# Altium PCB OpenHeat.PcbDoc (continued)
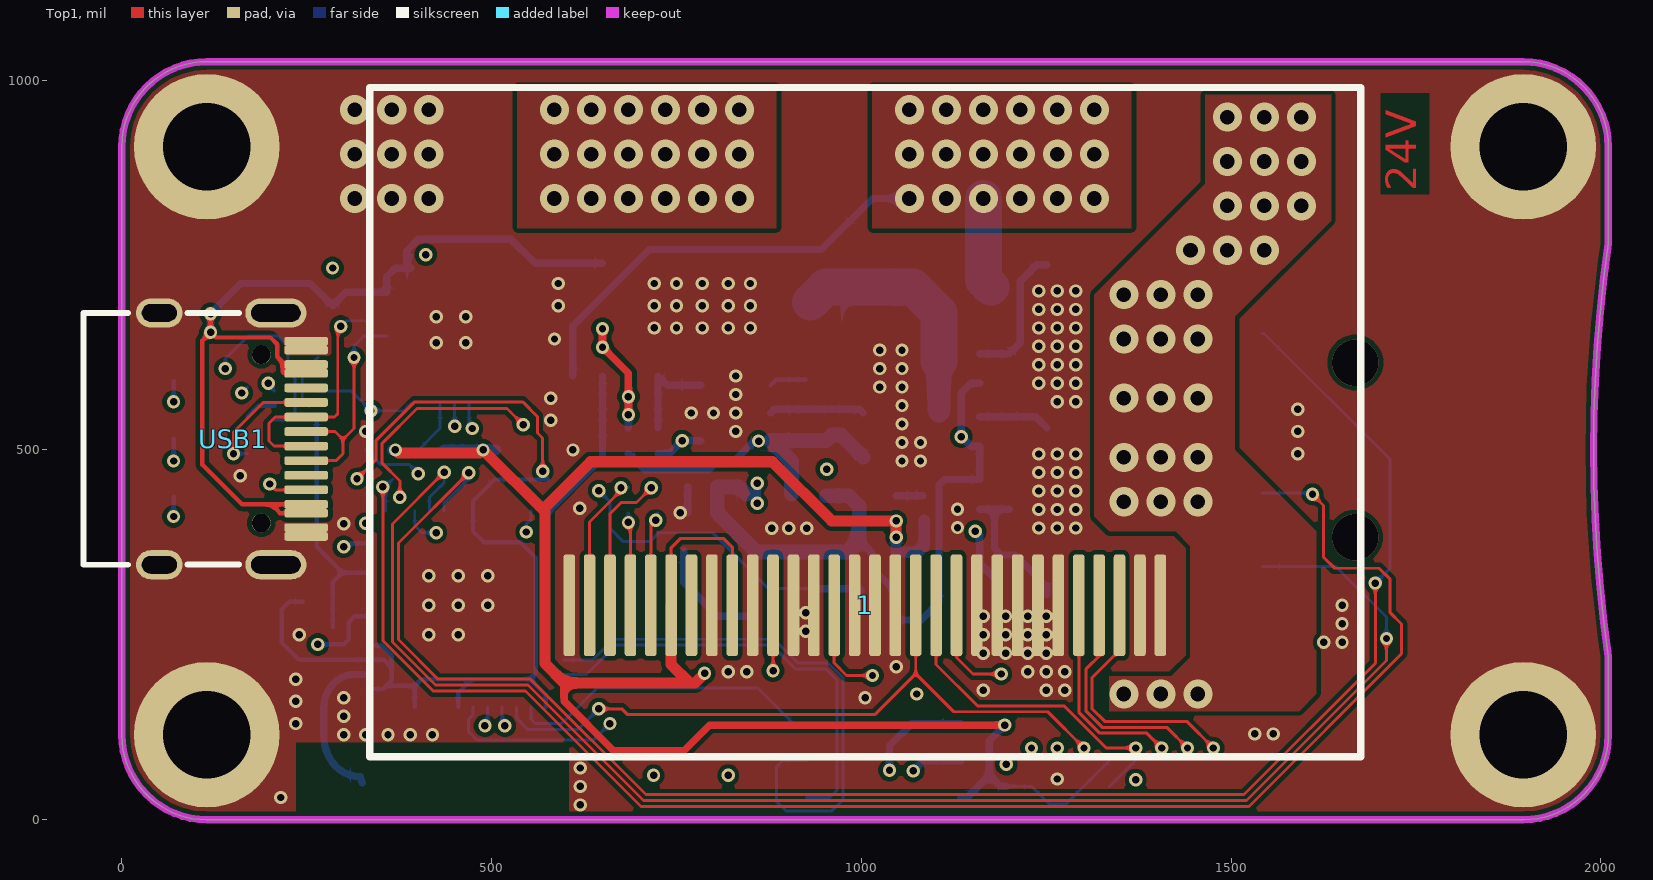
[diagram p0: Top1 view]
## Footprints (in the part's own frame and the unit in brackets; to place one, negate y for a bottom-side part, rotate by r counter-clockwise, add the part's x,y. Pads: shape width x height; smd on the part's side, far side on the other; paste and mask are expansions set on the pad) (continued)
SMT_TRIODE_NPN [mm] "Surface mount NPN transistor, package SOT-23"
  rrect50% 0.95x1 smd: 1(-0.95,-1.125) 2(0.95,-1.125) 3(0,1.125)
  silkscreen extent -1.33,-0.22 1.32,1.13, body extent -1.45,-1.4 1.45,1.4, height 1.3
SO8FL [mm] "DFN5 5x6, 1.27P  (SO-8FL)  CASE 488AA"
  rect 0.9x0.6 on Bottom Paste: 7(0,-0.55) 7(0,0.3) 7(0,1.15) 7(0,2) 9(-1.15,-0.55) 9(-1.15,0.3) 9(-1.15,1.15) 9(-1.15,2) 10(1.15,-0.55) 10(1.15,0.3) 10(1.15,1.15) 10(1.15,2)
  rect 0.6x0.9 on Bottom Paste: 11(-1.875,3) 11(-0.65,3) 11(0.65,3) 11(1.875,3)
  rrect50% 4.2x2.2 smd paste-10 mask+0.075: D(0,0)
  rect 4.2x2.2 smd paste-10 mask+0.075: D(0,1.35)
  rrect50% 4.7x1.5 smd paste-10 mask+0.075: D(0,2.75)
  rrect50% 0.7x1.15 smd paste-0.05 mask+0.075: G(1.905,-2.725) S(-1.905,-2.725) S(-0.635,-2.725) S(0.635,-2.725)
  body extent -2.57,-2.95 2.58,3.2, height 1.13
SO-8 [mm]
  oval 1.3x0.5 smd: 1(-2.65,1.905) 2(-2.65,0.635) 3(-2.65,-0.635) 4(-2.65,-1.905) 5(2.65,-1.905) 6(2.65,-0.635) 7(2.65,0.635) 8(2.65,1.905)
  silkscreen extent -2.78,-2.5 1.2,2.93, body extent -2.89,-2.44 2.89,2.46, height 1.45
SOD-323 [mm]
  rrect50% 0.6x0.5 smd: 1(-1.329,0) 2(1.329,0)
  silkscreen extent -1.78,-0.64 1.78,0.64, body extent -1.3,-0.68 1.3,0.67, height 1.15
SOT23-3 [mm] "SOT23, 3-Leads, Body 3.1x3.0mm (max), Pitch 0.95mm, IPC Medium Density"
  rrect50% 1x0.6 smd: 1(-1.246,0.95) 2(-1.246,-0.95) 3(1.246,0)
  silkscreen extent -0.2,-1.55 0.9,1.55, body extent -1.3,-1.45 1.5,1.45, height 1.2
SOT23-5 [mil]
  rrect50% 30x24 smd: 1(-47,38) 2(-47,0) 3(-47,-38) 4(47,-38) 5(47,38)
  silkscreen extent -21,-53 21,53, body extent -55,-57 55,57, height 57
SOT23-6 [mm]
  rrect50% 1.3x0.7 smd: 1(-1.2,0.95) 2(-1.2,0) 3(-1.2,-0.95) 4(1.2,-0.95) 5(1.2,0) 6(1.2,0.95)
  silkscreen extent -1.32,1.73 -1.07,1.97, body extent -1.4,-1.45 1.4,1.45, height 1.45
SOT563-6 [mm]
  rrect50% 0.305x0.5 smd paste+0 mask+0: 1(-0.5,-0.723) 2(0,-0.723) 3(0.5,-0.723) 4(0.5,0.723) 5(0,0.723) 6(-0.5,0.723)
  silkscreen extent -1.09,-0.96 0.85,0.23, body extent -0.8,-0.8 0.8,0.8, height 0.6
Type-C-TOP [mm]
  round 0.65 hole 0.65: 0(-0.98,2.89) 0(-0.98,-2.89)
  oval 1.6x1 hole 0.6 slot 1.2 at 0 deg: 1(2.52,4.325) 2(2.52,-4.325)
  oval 2.1x1 hole 0.6 slot 1.7 at 0 deg: 3(-1.48,-4.325) 4(-1.48,4.325)
  rrect50% 1.5x0.3 smd: A1(-2.52,-3.35) A4(-2.52,-2.55) A5(-2.52,-1.25) A6(-2.52,-0.25) A7(-2.52,0.25) A8(-2.52,1.25) A9(-2.52,2.55) A12(-2.52,3.35) B1(-2.52,3.05) B4(-2.52,2.25) B5(-2.52,1.75) B6(-2.52,0.75) B7(-2.52,-0.75) B8(-2.52,-1.75) B9(-2.52,-2.25) B12(-2.52,-3.05)
  silkscreen extent -0.22,-4.33 5.12,4.33, body extent -2.57,-4.48 5.18,4.48, height 3.26

## Part data
1: "显示屏"
A1: library part ANT-Rainsun-AP5120
C1 C2 C3 C4 C5 C7 C8 C9 C10 C11 C12 C13 C14 C15 C16 C17 C18 C19 C20: library part 电容-0402, "Capacitor"
C6: library part 电容-1206, "Capacitor"
D1: library part Diode_SMA, "Diode", Type=SMA
D3 D4 D5: "40V"
L1: library part 电感-201612
Q2 Q4 Q5: "MOSFET N-CH 60V SO8FL", Current - Continuous Drain (Id) @ 25°C=-, Drive Voltage (Max Rds On,  Min Rds On)="4.5V, 10V", Input Capacitance (Ciss) (Max) @ Vds="3600pF @ 25V", Manufacturer="ON Semiconductor", Manufacturer Part Number=NTMFS5C628NLT1G, Operating Temperature="-55°C ~ 175°C (TJ)", Package / Case=8-PowerTDFN, Power Dissipation (Max)="3.7W (Ta), 110W (Tc)", Supplier Device Package="5-DFN (5x6) (8-SOFL)", Supplier Part Number 1=NTMFS5C628NLT1GOSCT-ND, Category="Discrete Semiconductor Products", ComponentLink1Description=http://www.onsemi.com/pub/Collateral/NTMFS5C628NL-D.PDF, ComponentLink1URL=http://www.onsemi.com/pub/Collateral/NTMFS5C628NL-D.PDF, FET Feature=-, FET Type=N-Channel, Gate Charge (Qg) (Max) @ Vgs="52nC @ 10V", Mounting Type="Surface Mount", Packaging="Cut Tape (CT)", Part Status=Active, Pricing 1="1=1.8, 10=1.627, 100=1.3078, 500=1.01716 (USD)", Pricing 2="1500=0.81823 (USD)", Rds On (Max) @ Id, Vgs="2.4 mOhm @ 50A, 10V", RoHS="RoHS Compliant", Stock=1490, Supplier 1=Digi-Key, Supplier 2=Digi-Key, Supplier Part Number 2=NTMFS5C628NLT1GOSTR-ND, Technology="MOSFET (Metal Oxide)", Vgs (Max)=±20V, Vgs(th) (Max) @ Id="2V @ 135µA"
Q3: "N-MOS"
R1 R2 R3 R4 R5 R6 R7 R8 R9 R10 R11 R12 R13 R14 R15 R16 R17 R18 R19 R20 R21 R22 R23 R24 R25 R26 R27 R28 R29 R30 R31 R32: library part 电阻-0402, "Resistor"
SW1: BOM_JLCPCB Part Class="Extended Part", BOM_Manufacturer=ALPSALPINE, BOM_Manufacturer Part=EC11E1534443, BOM_Supplier=LCSC, BOM_Supplier Part=C1322543, Contributor=LCSC, spicePre=S, spiceSymbolName=EC11E1534443
U1: "USB转TTL", MFG #1="SILICON LABS", PART DESC="SINGLE-CHIP USB TO UART BRIDGE, QFN28, RoHS.", PART NUMBER=CP2102, RefDes=RefDes, Type=DEV
U2: "DC-DC"
U3: library part LP2992, "LDO"
U4: library part ESP32-PICO
U5: "IC THERMOCOUP TO DGTL 8-SOIC", Digikey Part Number=MAX6675ISA+-ND, Manufacturer="Maxim Electronics", max_supply_voltage_dc=5.50V, Mfg Package Ident=21-0041, Mouser Part Number=700-MAX6675ISA, Octopart Part Number=33bcfab92ad8ec7b, PART NUMBER=MAX6675ISA+, supply_current="0.70 mA", Temperature="-20°C to +85°C", Temperature Range High=+85°C, Temperature Range Low=-20°C, Category 2Fc5E2Cf1B85F402="Interface ICs", Category 3B3Df6370Ab4E0Fa="Temperature Sensor ICs", Category 3Cb8F1B20D37E77F="Sensors (Acceleration, Pressure, ...)", Category 6B95A69F5F75B052="Sensors and Accessories", Category 8A76477Cb9Bd51B1="Temperature Control and Regulation", Category 9E07530Daf1645C0="Semiconductors and Actives", Category 20B3Edb914A9Fb74=Uncategorized, Category 84F649Fcb0Ed5F31=Uncategorized, Category C33B0E31F09B18Fc="Temperature Sensor ICs", Category D46C1966E09E0Fab=Temperature, Category Db391633E8F300Fe="Industrial Control", Category E95E2454Daf93299="Temperature Sensing/Measurement", ComponentLink1Description=Upverter, ComponentLink1URL=https://upverter.com/upn/revision/df8f98e99e77f28c/, ComponentLink2Description=Datasheet, ComponentLink2URL=https://upverter.com/datasheet/328f41e80cd5fba93d602566d8324382201f26da.pdf, Digikey Description="IC THERMOCOUP TO DGTL 8-SOIC", helpURL=https://upverter.com/upn/revision/df8f98e99e77f28c/, Ipc Land Pattern Name=SOIC127P600X155-8, Lead Free=yes, Mounting Type="surface mount", Num Pins=8, Package=21-0041, RoHS=TRUE, Supplier 1=Digi-Key, Supplier 2=Mouser, Supplier Part Number 1=MAX6675ISA+-ND, Supplier Part Number 2=700-MAX6675ISA, Symbol 0 0=Standard, Type="integrated circuit"
USB1: library part USB-Type-C-TOP
VT1: library part SMT_TRIODE_NPN, "Surface mount NPN transistor, package SOT-23"

## Free pads (board coordinates)
  rrect50% 80x50 smd far side: ""(70,436.76) ""(70,515) ""(70,593.24)
  round 196.85 hole 118.11: ""(115,115) ""(115,910) ""(1895,115) ""(1895,910)
  rrect50% 200x200 smd far side: ""(365,900) ""(585,900) ""(845,900) ""(1065,900) ""(1325,900) ""(1545,900)
  rrect50% 80x150 smd far side: ""(720,90) ""(820,90)

## Via types
v1: diameter 18, hole 10, Top1 to Bottom4, tented both sides, 221 vias
v2: diameter 39.37, hole 19.68, Top1 to Bottom4, tented both sides, 75 vias
v3: diameter 62.99, hole 62.99, Top1 to Bottom4, 2 vias

## Nets (pads, with @x,y where several pads share a name; then routed paths per layer and width w, separated by ;. In a path a pad name is that pad's centre, name@x,y a point inside that pad or via, vN(x,y) a via of type N, cw(c..) or ccw(c..) an arc to the next point about the centre after c; other vN are vias at no path point)
3V3A: C1.2 C2.2 R2.2 R3.2 R9.1 U4.1 U4.3 U4.4 U4.19 U4.37 U4.43 U4.46 | length 1490.4
  Top1 w4: v1(318,461) 344,487 344,513 396,565 542,565 562,545 562,523 569,516 v1(569,471)
  Bottom4 w6: R9.1 227,295 216,284 216,240 239.9,216.1 U4.3 354.4,216.1 365,205.5 ; U4.1 352.73,176.73 357.1,181.1 ; U4.4 351.21,235.79 365,222 365,205.5 ; U4.46 396.1,181.1 ; U4.43 455.16,172.16 473,190 ; v1(569,471) 569,467 C2.2 C1.2 R2.2 504,460 474.84,430.84 U4.19 474.84,389.84 489.68,375 539,375 560,354 560,198 552,190 ; U4.37 573.27,168.73 552,190 ; 357.1,181.1 365,189 365,205.5 ; 357.1,181.1 396.1,181.1 ; 396.1,181.1 405,190 473,190 ; 473,190 552,190
5V: C4.1 C7.2 C8.2 D3.2 L1.2 R5.2 R15.2 U3.1 U3.3 | length 1046.2
  Top1 w10: v1(650,664) v1(650,639) 685,604 v1(685,572) v1(685,547.5)
  Signal2 w10: v1(650,664) v1(650,639) 685,604 v1(685,572) v1(685,547.5) 777.5,455 v1(859,455) v1(859,428)
  Bottom4 w10: C4.1 v1(685,547.5) R5.2 ; v1(859,428) v1(859,455) ; 997,378 1015,360 1015,340 R15.2
  Bottom4 w20: L1.2 834.54,450 C8.2 C7.2 858,362 U3.1 981,362 997,378 997,424 983,438 U3.3
BED_OUT: pad.@1545,900 Q2.D Q4.D Q5.D
  other v2: 1355,170 1405,170 1455,170 1355,430 1405,430 1455,430 1355,490 1405,490 1455,490 1355,570 1405,570 1455,570 1355,650 1405,650 1455,650 1355,710 1405,710 1455,710 1445,770 1495,770 1545,770 1495,830 1545,830 1595,830 1495,890 1545,890 1595,890 1495,950 1545,950 1595,950
BS1: 1.11 R14.2 | length 481.2
  Top1 w4: v1(880.59,201.41) 1.11
  Signal2 w4: v1(880.59,201.41) 940,142 1064.31,142 1109.31,97 v1(1230,97)
BUZZ: Q3.1 R20.2 U4.14 | length 885.7
  Top1 w4: v1(376,436) 376,458 352,482 352,509 399,556 521,556 v1(543,534)
  Signal2 w4: v1(543,534) 543,530 628,445 v1(645,445)
  Bottom4 w4: v1(645,445) 660,430 660,394 678,376 714,376 726,388 799,388 874.6,312.4 Q3.1
  Bottom4 w10: Q3.1 997.6,312.4 R20.2
CP_Rx: U1.25 U4.41 | length 563.7
  Signal2 w4: v1(450,532) 450.29,531.71 450.29,516.71 508.04,458.96 524.35,458.96 581,402.31 581,246 491,156 v1(491,127)
  Bottom4 w4: v1(450,532) U1.25 ; v1(491,127) 494.53,130.53 U4.41
CP_Tx: R3.1 R4.1 U4.40 | length 701.1
  Signal2 w4: v1(401,468) 430.34,438.66 533.34,438.66 573,399 573,249.31 467,143.31 467,116 475,108 499,108 v1(518,127)
  Bottom4 w4: R3.1 350,480 389,480 v1(401,468) ; U4.40 514.21,130.79 v1(518,127)
CS: U4.34 U5.6 | length 767.7
  Bottom4 w4: U4.34 636.79,216.1 664.69,244 882,244 914,212 955,212 975,192 975,27 960,12 898,12 885,25 885,71 894,80 U5.6
DC_IN: pad.@585,900 pad.@845,900
  other v2: 585,840 635,840 685,840 735,840 785,840 835,840 585,900 635,900 685,900 735,900 785,900 835,900 585,960 635,960 685,960 735,960 785,960 835,960
DTR: Q1.4 R7.1 U1.28 | length 372
  Signal2 w4: v1(162,577) 162,590 180,608 235,608 290,553 v1(337,553)
  Bottom4 w4: v1(162,577) R7.1 ; Q1.4 310.31,579.69 v1(337,553) 381.44,553 U1.28
EC_A: R26.1 SW1.1 U4.16 | length 2076.1
  Top1 w4: v1(436,470) 366,400 366,240.31 424.31,182 549.31,182 705.31,26 1520.69,26 1710,215.31 v1(1710,245)
  Bottom4 w4: U4.16 415.79,435.79 436,456 R26.1 ; SW1.1 1641.48,342.52 1710,274 v1(1710,245)
EC_B: R29.1 SW1.4 U4.17 | length 2332.5
  Top1 w4: v1(469,469) 374,374 374,243.63 427.63,190 552.63,190 708.63,34 1517.37,34 1695,211.63 v1(1695,320)
  Bottom4 w4: U4.17 435.47,427.47 469,461 R29.1@470,460 ; SW1.4 1544.52,657.48 1715,487 1715,340 v1(1695,320)
EC_KEY: R28.1 SW1.2 U4.13 | length 2187.5
  Top1 w4: v1(353,450) 353,242 421,174 546,174 702,18 1524,18 1730.5,224.5 1730.5,264.5 1715,280 1715,325 1700,340 1640,340 1625,355 1625,425 v1(1610,440) v1@1612,442
  Bottom4 w4: U4.13 356.73,446.27 v1(353,450) 356,450 R28.1 ; SW1.2 1608.07,441.93 v1(1610,440)
ESP_EN: C10.1 Q1.6 R9.2 U4.9 | length 334.6
  Bottom4 w6: Q1.6 263.46,368.96 298.21,334.21 ; C10.1 R9.2 285,321 298.21,334.21 ; U4.9 298.21,334.21
FLASH_CLK: U4.31
FLASH_CS: U4.25
FLASH_SD0: U4.27
FLASH_SD1: U4.33
FLASH_SD2: U4.30
FLASH_SD3: U4.32
GND: 1.1 1.8 1.10 1.12 1.13 1.15 1.16 1.17 1.21 1.22 1.23 1.24 1.25 1.29 1.30 C1.1 C2.1 C6.1 C7.1 C8.1 C9.1 C10.2 C11.1 C12.1 C13.1 C16.1 C17.2 C18.2 C19.2 C20.1 D2.1 D4.1 pad.@115,115 pad.@115,910 pad.@365,900 pad.@1895,115 pad.@1895,910 Q2.S Q3.2 Q4.S Q5.S R6.1 R11.1 R12.2 R17.2 R18.2 R20.1 R24.1 R25.2 R30.2 R32.2 SW1.3 SW1.5 U1.3 U1.29 U2.2 U3.2 U4.49 U5.1 USB1.1 USB1.2 USB1.3 USB1.4 USB1.A1 USB1.A12 USB1.B1 USB1.B12 VT1.2 | length 35
  Bottom4 w10: C7.1 C8.1
  other v1: 620,20 215,30 620,45 1265,55 620,70 300,115 330,115 360,115 390,115 420,115 1532,116 1557,116 235,130 300,140 235,160 300,165 1005,165 1075,170 1165,175 1250,175 1275,175 235,190 820,200 845,200 1225,200 1250,200 1275,200 1047,207 1165,225 1195,225 1225,225 1250,225 1625,240 1650,240 240,250 415,250 455,250 1165,250 1195,250 1225,250 1250,250 925,255 1650,265 1165,275 1195,275 1225,275 1250,275 925,280 415,290 455,290 495,290 1650,290 415,330 455,330 495,330 879,394 902,394 926,394 1240,394.45 1265,394.45 1290,394.45 1130,395 300,400 755,415 1240,419.45 1265,419.45 1290,419.45 1130,420 619,421 1240,444.45 1265,444.45 1290,444.45 160,465 1240,469.45 1265,469.45 1290,469.45 1055,485 1080,485 1240,494.45 1265,494.45 1290,494.45 1590,495 610,500 1055,510 1080,510 330,525 830,525 1590,525 1055,535 580,540 770,550 800,550 830,550 1590,555 1055,560 1265,565 1290,565 580,570 830,575 1025,585 1055,585 1240,590 1265,590 1290,590 830,600 1025,610 1055,610 1240,615 1265,615 1290,615 1025,635 1055,635 1240,640 1265,640 1290,640 425,645 465,645 585,650 720,665 750,665 785,665 820,665 850,665 1240,665 1265,665 1290,665 425,680 465,680 1240,690 1265,690 1290,690 590,695 720,695 750,695 785,695 820,695 850,695 1240,715 1265,715 1290,715 590,725 720,725 750,725 785,725 820,725 850,725
  other v2: 315,840 365,840 415,840 315,900 365,900 415,900 315,960 365,960 415,960
GPIO0: Q1.3 U4.23 | length 503
  Signal2 w4: v1(198,590) 198,546 321.11,422.89 346.11,422.89 352,417 519,417 v1(547,389)
  Bottom4 w4: v1(198,590) 198,588.22 Q1.3 ; v1(547,389) 547,400.15 553.58,406.74 U4.23
GPIO2: U4.22
GPIO4: C20.2 R27.2 R30.1 U4.24 | length 216.8
  Bottom4 w10: U4.24 577.38,417.38 650,490 R30.1 C20.2 R27.2
GPIO9: U4.28
GPIO10: U4.29
GPIO12: U4.18
GPIO13: U4.20
GPIO15: U4.21
GPIO18: U4.35 U5.5 | length 599.9
  Bottom4 w4: U4.35 628.42,196.42 668,236 878.69,236 910.69,204 951.69,204 967,188.69 967,39.74 957.26,30 U5.5
GPIO19: U4.38 U5.7 | length 431.3
  Bottom4 w4: U4.38 553.58,135.42 559,130 595,130 643,178 860,178 908,130 U5.7
GPIO21: 1.19 R21.2 R22.2 U4.42 | length 1532.1
  Top1 w4: 1.19 1101.06,209.94 1157,154 1274.06,154 1331.06,97 v1(1371,97)
  Signal2 w4: v1(660,130) 1065,130 1165,30 1378,30 1391,43 1391,77 v1(1371,97)
  Bottom4 w4: U4.42 474.84,141.84 469,136 469,119 480,108 638,108 v1(660,130) ; R21.2 1370.5,80 R22.2
GPIO22: 1.18 R19.2 U4.39 | length 960.9
  Top1 w4: v1(645,150) 676,150 684,142 1018,142 1073.5,197.5 ; 1.18 1073.5,197.5 ; v1(1301,97) 1252,146 1125.01,146 1073.5,197.5
  Bottom4 w4: U4.39 533.9,137.1 549,122 617,122 v1(645,150)
GPIO23: U4.36
GPIO26: R18.1 U4.15 VT1.1 | length 1455.5
  Signal2 w4: v1(425,388) 511,388 565,334 565,252.63 459,146.63 459,110 469,100 517,100 595,178 595,316 633,354 1118,354 v1(1154,390)
  Bottom4 w4: U4.15 396.1,397.9 406,388 v1(425,388)
  Bottom4 w10: R18.1 1160,346.69 VT1.1
GPIO32: pad.@70,593.24 U4.12 | length 356.2
  Signal2 w6: v1(70,565) 95,540 188.27,540 327.27,401 v1(330,401)
  Bottom4 w6: v1(70,565) pad.@70,593.24
GPIO34: U4.10
GPIO35: pad.@70,515 U4.11 | length 416.6
  Signal2 w6: v1(70,485) 114,529 185.13,529 271,443.13 271,379 281,369 v1(300,369)
  Bottom4 w6: v1(70,485) pad.@70,515 ; v1(300,369) 304.58,373.58 U4.11
GPIO37: pad.@70,436.76 U4.6 | length 620
  Signal2 w6: v1(70,410) 95,435 95,475 139,519 180.99,519 256,443.99 256,374 265,365 v1(265,237)
  Bottom4 w6: v1(70,410) pad.@70,436.76 ; v1(265,237) 300,237 307,244 307,267 315.16,275.16 U4.6
GPIO38: U4.7
Net1_2: 1.2 C14.1 | length 187
  Top1 w4: 1.2 632.56,402.56 675,445 v1(675,449)
  Bottom4 w4: v1(675,449) 684,449 C14.1
Net1_3: 1.3 C14.2 | length 202.3
  Top1 w4: 1.3 660.12,413.8 675.31,429 696,429 v1(716,449)
  Bottom4 w4: v1(716,449) C14.2@724,449
Net1_4: 1.4 C15.1 | length 126.1
  Top1 w4: v1(685,402) 687.68,399.32 1.4
  Bottom4 w4: v1(685,402) C15.1
Net1_5: 1.5 C15.2 | length 129
  Top1 w4: 1.5 715.24,398.24 v1(722,405)
  Bottom4 w4: v1(722,405) 722,412 C15.2
Net1_20: 1.20 R22.1 | length 389.1
  Top1 w4: 1.20 1128.62,219.38 1151,197 v1(1189,197)
  Signal2 w4: v1(1189,197) 1259,127 1311,127 1353,85 1353,72 v1(1371,54)
Net1_26: 1.26 R24.2 | length 276.7
  Top1 w4: 1.26 1293.98,145.4 1322.37,117 1386,117 v1(1406,97)
Net1_27: 1.27 C18.1 | length 308.2
  Top1 w4: 1.27 1321.54,221.54 1304,204 1304,152.31 1304,146.69 1325.69,125 1413,125 v1(1441,97)
Net1_28: 1.28 C19.1 | length 341.3
  Top1 w4: 1.28 1349.09,229.09 1312,192 1312,150 1329,133 1440,133 v1(1476,97)
NetA1_1: A1.1 U4.2 | length 214.9
  Bottom4 w10: A1.1 322.38,58.33 cw(c322.38,104.8) 284.27,78.2 cw(c335.62,114.04) 273,114.04 273,151.2 cw(c320.8,151.2) 287,185 cw(c314.56,157.44) 314.56,196.42 U4.2
NetC3_1: C3.1 C5.1 D4.2 L1.1 U2.6 | length 426.5
  Bottom4 w10: C3.1 707,473 794,473 802,481 824,481 855,512 v1(861,512)
  Bottom4 w20: L1.1 905.46,484.38 U2.6 952.6,512.6 C5.1 972.66,520 D4.2
NetC3_2: C3.2 C5.2 U2.1 | length 276.4
  Signal2 w10: v1(757.6,512.6) 808.4,512.6 847,474 v1(953,474)
  Bottom4 w10: C3.2 740,495 v1(757.6,512.6) U2.1
NetC4_2: C4.2 R5.1 R6.2 U2.3 | length 133
  Bottom4 w10: C4.2 R5.1 R6.2 737.6,587.4 U2.3
NetC9_2: C9.2 D5.2 R8.1 U2.5 | length 129.6
  Bottom4 w10: U2.5 882.24,555 R8.1 C9.2 997.66,555 D5.2
NetC13_2: C13.2 U3.4 | length 36
  Bottom4 w10: U3.4 C13.2@1083,438
NetQ1_2: Q1.2 R7.2 | length 42.7
  Bottom4 w6: R7.2 185,560 Q1.2
NetQ1_5: Q1.5 R10.2 | length 90.2
  Bottom4 w4: Q1.5 249,560 244,565 244,604 R10.2
NetQ2_G: Q2.G R16.1 R17.1 | length 189.3
  Bottom4 w10: R16.1 R17.1 1215,645 1215,728 1237.28,750.28 Q2.G
NetQ3_3: Q3.3 U6.2 | length 147.7
  Bottom4 w10: U6.2 760,321 806,275 Q3.3
NetQ4_G: Q4.G R23.1 R25.1 | length 97.2
  Bottom4 w10: R23.1 R25.1 1235.63,545 Q4.G
NetQ5_G: Q5.G R31.1 R32.1 | length 195.5
  Bottom4 w10: R31.1 1180,420 ; R32.1 1180,420 ; Q5.G 1250.91,315.09 1208,358 1189,358 1180,367 1180,420
NetR1_2: R1.2 U1.9 | length 133.5
  Signal2 w6: v1(285,746) 303,764 v1(411,764)
NetR4_2: R4.2 U1.26 | length 74.6
  Bottom4 w4: R4.2 430.31,529.32 U1.26
NetR8_2: R8.2 U2.4 | length 50.9
  Bottom4 w6: U2.4 884.84,595 R8.2
NetR11_2: R11.2 USB1.B5 | length 52.5
  Top1 w4: v1(200,454) 207.9,446.1 USB1.B5
NetR12_1: R12.1 USB1.A5 | length 162.9
  Top1 w4: v1(151,495) 151,524 191.21,564.21 USB1.A5
  Bottom4 w4: v1(151,495) R12.1
NetR15_1: R15.1 R16.2 R23.2 R31.2 VT1.3 | length 451.4
  Bottom4 w10: R15.1 1080.71,270 VT1.3 1105,294.29 1105,453 1112,460 R31.2 R23.2 1148,505 v1(1135,518) 1135,577 1148,590 R16.2
OLED_RST: 1.14 C16.2 R13.1 | length 505.6
  Top1 w4: 1.14 963.27,211.73 980,195 v1(1015,195)
  Signal2 w4: v1(1015,195) 1060,150 1212,150 v1(1265,97) 1243,75 v1(1196,75)
RTS: Q1.1 R10.1 U1.24 | length 698.5
  Signal2 w4: v1(140,610) 140,623 170,653 212,653 291,574 447,574 474,547 v1(474,529)
  Bottom4 w4: v1(140,610) 140,623 171,654 211,654 225,640 R10.1 225,606 234,597 234,550 224.31,540.32 Q1.1 ; U1.24 469.68,533.32 v1(474,529)
SENSOR_VN: U4.8
SENSOR_VP: U4.5
TIN_N: pad.@820,90 U5.2 | length 362.7
  Signal2 w10: v1(820,60) 1031,60 v1(1038,67)
  Bottom4 w10: v1(1038,67) 1038,100 1068,130 U5.2
TIN_P: pad.@720,90 U5.3 | length 446.8
  Signal2 w10: v1(719,60) 747,32 1036,32 v1(1070,66)
  Bottom4 w10: v1(1070,66) 1084,80 U5.3
USB-PWR-DM: U1.5 USB1.A7 USB1.B7 | length 340.8
  Top1 w4: USB1.A7 205.84,505.16 199,512 199,536 207.53,544.53 USB1.B7 287.53,544.53 292,549 292,663 v1(296,667)
  Bottom4 w4: v1(296,667) 303.68,674.69 338.5,674.69
USB-PWR-DP: U1.4 USB1.A6 USB1.B6 | length 310.1
  Top1 w4: USB1.B6 289.47,485.47 299,495 299,514 ; USB1.A6 288.16,524.84 299,514 ; v1(314,625) 314,529 299,514
  Bottom4 w4: v1(314,625) 314,641 327,654 U1.4
VCC: C6.2 D1.2 D2.2 D5.1 | length 329
  Bottom4 w30: D5.1@1105,552.34 C6.2
  Bottom4 w50: D2.2 951.46,720 D1.2 1070,720 1105,685 C6.2
VCC_3V3: 1.6 1.9 C11.2 C12.2 C17.1 R2.1 R13.2 R14.1 R19.1 R21.1 R26.2 R28.2 R29.2 U3.5 U5.4 U6.1 | length 2792.9
  Top1 w4: 1.6 742.8,367.8 755,380 814,380 825.47,368.53 1.9
  Top1 w10: 598,185 598,160.18 665.18,93 760,93 795,128 v1(1194,128)
  Top1 w15: v1(370,500) 374,496 484.5,496 v1(488.5,500) 572,416.5 572,211 598,185 768,185 ; 569.25,419.25 634,484 880,484 960,404 v1(1047,404) v1(1047,382) ; 1.6 742.8,210.2 768,185 ; v1(788,198) 775,185 768,185
  Bottom4 w4: R13.2 R14.1 1254.5,21 1276.5,21 R19.1 1335.5,80 R21.1
  Bottom4 w10: U5.4 1143,30 1173,60 ; v1(1194,128) 1173,107 1173,60 ; R13.2 1188,45 1173,60
  Bottom4 w15: R28.2 v1(370,500) ; R26.2 R29.2 v1(488.5,500) R2.1 ; v1(1047,404) v1(1047,382) U3.5 1077,362 C11.2 C12.2
VCC_IN: D1.1 pad.@1065,900 pad.@1325,900 R27.1 | length 718.4
  Bottom4 w10: R27.1 610,668 713,771 946,771 1015,840 v2(1065,840)
  Bottom4 w50: v2(1165,840) 1165,730 D1.1
  other v2: 1115,840 1215,840 1265,840 1315,840 1065,900 1115,900 1165,900 1215,900 1265,900 1315,900 1065,960 1115,960 1165,960 1215,960 1265,960 1315,960
VUSB: D3.1 R1.1 U1.7 U1.8 USB1.A4 USB1.A9 USB1.B4 USB1.B9 | length 1295.8
  Top1 w6: v1(120,684) v1(120,659) ; USB1.A9 213.81,414.61 202,426.42 ; USB1.B4 202,426.42 ; USB1.B9 219.42,603.58 217.5,605.5 217.5,618.5 ; USB1.A4 220.61,615.39 217.5,618.5 ; v1(120,659) 109,648 109,480 162.58,426.42 202,426.42 ; v1(120,659) 127,652 201,652 210,643 210,626 217.5,618.5
  Bottom4 w10: v1(120,659) v1(120,684) 161,725 255,725 R1.1 303.06,713.06 U1.7 358.5,734.5 369.5,745.5 U1.8 385,751.44 385,769 401,785 526,785 558.66,752.34 D3.1
pads on no net: 1.7 A1. Q2.7 Q2.9 Q2.10 Q2.11 Q4.7 Q4.9 Q4.10 Q4.11 Q5.7 Q5.9 Q5.10 Q5.11 U1.1 U1.2 U1.6 U1.10 U1.11 U1.12 U1.13 U1.14 U1.15 U1.16 U1.17 U1.18 U1.19 U1.20 U1.21 U1.22 U1.23 U1.27 U4.26 U4.44 U4.45 U4.47 U4.48 U5.8 USB1.0 USB1.A8 USB1.B8
copper on no net:
  other v3: 1667.83,381.89 1667.83,618.11

## Polygon pours and split planes (outlines as drawn)
GND on Bottom4 "GND_L04_P015" (solid, remove dead copper, pour order 15): 0,1025 0,0 2010,0 2010,1025
DC_IN on Bottom4 "DC_IN_L04_P002" (solid, remove dead copper, pour order 2): 540,995 880,995 880,800 540,800
VCC_IN on Bottom4 "VCC_IN_L04_P001" (solid, remove dead copper, pour order 1): 1020,995 1360,995 1360,800 1020,800
BED_OUT on Bottom4 "BED_OUT_L04_P000" (solid, remove dead copper, pour order 0): 1445,940 1445,825 1380,760 1340,760 1315,735 1315,170 1350,135 1480,135 1495,150 1495,675 1645,825 1645,940
GND on Top1 "GND_L01_P012" (solid, remove dead copper, pour order 12): 0,1025 0,0 2010,0 2010,1025
BED_OUT on Top1 "BED_OUT_L01_P011" (solid, pour order 11): 1465,980 1465,860 1315,710 1315,410 1335,390 1425,390 1445,370 1445,220 1419,194 1335,194 1335,147 1592,147 1615,170 1615,390 1505,500 1505,680 1635,810 1635,980
VCC_IN on Top1 "VCC_IN_L01_P004" (solid, pour order 4): 1015,990 1365,990 1365,800 1015,800
DC_IN on Top1 "DC_IN_L01_P003" (solid, pour order 3): 535,990 885,990 885,800 535,800
GND on Signal2 "GND_L02_P013" (solid, remove dead copper, pour order 13): 0,1025 0,0 2010,0 2010,1025
BED_OUT on Signal2 "BED_OUT_L02_P009" (solid, pour order 9): 1465,980 1465,860 1315,710 1315,160 1335,140 1475,140 1495,160 1495,650 1635,790 1635,980
VCC_IN on Signal2 "VCC_IN_L02_P006" (solid, pour order 6): 1015,990 1365,990 1365,800 1015,800
DC_IN on Signal2 "DC_IN_L02_P005" (solid, pour order 5): 535,990 885,990 885,800 535,800
GND on Gnd3 "GND_L03_P014" (solid, remove dead copper, pour order 14): 0,1025 0,0 2010,0 2010,1025
BED_OUT on Gnd3 "BED_OUT_L03_P010" (solid, pour order 10): 1465,980 1465,860 1315,710 1315,160 1335,140 1475,140 1495,160 1495,650 1635,790 1635,980
VCC_IN on Gnd3 "VCC_IN_L03_P008" (solid, pour order 8): 1015,990 1365,990 1365,800 1015,800
DC_IN on Gnd3 "DC_IN_L03_P007" (solid, pour order 7): 535,990 885,990 885,800 535,800

## Keep-outs
Keep-Out Layer:
  the board outline again, w10

## Other copper
Top1:
  pour cut-out: 605,105 605,0 235,0 235,105
  text "24V" at 1764,850 h70 r90
Signal2:
  pour cut-out: 605,105 605,0 235,0 235,105
Gnd3:
  pour cut-out: 605,105 605,0 235,0 235,105
Bottom4:
  pour cut-out: 605,105 605,0 235,0 235,105

## Silkscreen, mask and mechanical layers (free items; w line width, h text height)
Bottom Overlay:
  text "DC_IN ^" at 208.75,797.68 h50 r270
  text "HotBed ^" at 1153.57,793.84 h50 r270
  text "Switch ^" at 672.9,788.84 h50 r270
  text "+" at 714.04,151.46 h100
  text "Temp" at 673.85,148.21 h50 r90
  text "-" at 876.04,131.46 h100
Top Solder:
  region: 1777,836 1777,992 1693,992 1693,836
  rectangle: 235,0 605,105
  lines w10: 1847.3,282.94 1962.3,282.94
  text "Designed by" at 1882.3,492.94 h50 r90
  text "Pengzhihui" at 1957.3,312.94 h90 r90
  text "Ver 1.0" at 1882.3,307.94 h55 r90
  text "OpenHeat" at 1830.99,275 h90 r90
Bottom Solder:
  rectangle: 235,0 605,105
  text "+-" at 507.15,973.24 h50
Mechanical 1:
  the board outline again, w10
Drill Drawing:
  circle w10: c107.62,1960.28 r33.33
  lines w10: 74.29,1626.94 74.29,1643.61 90.96,1660.28 74.29,1676.94 74.29,1693.61 90.96,1693.61 107.62,1676.94 124.29,1693.61 140.96,1693.61 140.96,1676.94 124.29,1660.28 140.96,1643.61 140.96,1626.94 124.29,1626.94 107.62,1643.61 90.96,1626.94 74.29,1626.94 ; 74.29,1776.94 140.96,1776.94 140.96,1843.61 74.29,1843.61 74.29,1776.94 ; 74.29,2093.61 90.96,2093.61 90.96,2076.94 124.29,2076.94 124.29,2093.61 140.96,2093.61 140.96,2126.94 124.29,2126.94 124.29,2143.61 90.96,2143.61 90.96,2126.94 74.29,2126.94 74.29,2093.61 ; 74.29,2226.94 107.62,2243.61 140.96,2226.94 124.29,2260.28 140.96,2293.61 107.62,2276.94 74.29,2293.61 90.96,2260.28 74.29,2226.94 ; 74.29,2443.61 140.96,2443.61 107.62,2376.94 74.29,2443.61 ; 74.29,2543.61 90.96,2543.61 107.62,2526.94 124.29,2543.61 140.96,2543.61 124.29,2560.28 140.96,2576.94 124.29,2576.94 107.62,2593.61 90.96,2576.94 74.29,2576.94 90.96,2560.28 74.29,2543.61
  lines w15: 14.5,1581.94 13252.78,1581.94 ; 14.5,2631.94 13252.78,2631.94 ; 565.38,1431.94 565.38,2781.94 ; 1165.22,1431.94 1165.22,2781.94 ; 2284.89,1431.94 2284.89,2781.94 ; 2790.77,1431.94 2790.77,2781.94 ; 3524.57,1431.94 3524.57,2781.94 ; 4714.22,1431.94 4714.22,2781.94 ; 5304.07,1431.94 5304.07,2781.94 ; 6049.87,1431.94 6049.87,2781.94 ; 7239.52,1431.94 7239.52,2781.94 ; 8093.28,1431.94 8093.28,2781.94 ; 9426.89,1431.94 9426.89,2781.94 ; 10760.5,1431.94 10760.5,2781.94 ; 11850.18,1431.94 11850.18,2781.94 ; 14.5,1431.94 13252.78,1431.94 13252.78,2781.94 14.5,2781.94 14.5,1431.94
  text "Symbol" at 104.5,2676.94 h72
  text "Count" at 610.38,2676.94 h72
  text "Hole Size" at 1210.22,2676.94 h72
  text "Plated" at 2329.89,2676.94 h72
  text "Hole Type" at 2835.77,2676.94 h72
  text "Drill Layer Pair" at 3569.57,2676.94 h72
  text "Via/Pad" at 4759.22,2676.94 h72
  text "Pad Shape" at 5349.07,2676.94 h72
  text "Template" at 6094.87,2676.94 h72
  text "Description" at 7284.52,2676.94 h72
  text "Hole Tolerance (+)" at 8138.28,2676.94 h72
  text "Hole Tolerance (-)" at 9471.89,2676.94 h72
  text "Hole Length" at 10805.5,2676.94 h72
  text "Routed Path Length" at 11895.18,2676.94 h72
  text "2" at 610.38,2526.94 h60
  text "23.62mil (0.600mm)" at 1210.22,2526.94 h60
  text "PTH" at 2329.89,2526.94 h60
  text "Slot" at 2835.77,2526.94 h60
  text "Top1 - Bottom4" at 3569.57,2526.94 h60
  text "Pad" at 4759.22,2526.94 h60
  text "Rounded" at 5349.07,2526.94 h60
  text "r160_100h60_120r100" at 6094.87,2526.94 h60
  text "47.24mil (1.200mm)" at 10805.5,2526.94 h60
  text "23.62mil (0.600mm)" at 11895.18,2526.94 h60
  text "2" at 610.38,2376.94 h60
  text "23.62mil (0.600mm)" at 1210.22,2376.94 h60
  text "PTH" at 2329.89,2376.94 h60
  text "Slot" at 2835.77,2376.94 h60
  text "Top1 - Bottom4" at 3569.57,2376.94 h60
  text "Pad" at 4759.22,2376.94 h60
  text "Rounded" at 5349.07,2376.94 h60
  text "r210_100h60_170r100" at 6094.87,2376.94 h60
  text "66.93mil (1.700mm)" at 10805.5,2376.94 h60
  text "43.31mil (1.100mm)" at 11895.18,2376.94 h60
  text "2" at 610.38,2226.94 h60
  text "25.59mil (0.650mm)" at 1210.22,2226.94 h60
  text "PTH" at 2329.89,2226.94 h60
  text "Round" at 2835.77,2226.94 h60
  text "Top1 - Bottom4" at 3569.57,2226.94 h60
  text "Pad" at 4759.22,2226.94 h60
  text "Rounded" at 5349.07,2226.94 h60
  text "c65h65" at 6094.87,2226.94 h60
  text "-" at 10805.5,2226.94 h60
  text "-" at 11895.18,2226.94 h60
  text "2" at 610.38,2076.94 h60
  text "62.99mil (1.600mm)" at 1210.22,2076.94 h60
  text "PTH" at 2329.89,2076.94 h60
  text "Round" at 2835.77,2076.94 h60
  text "Top1 - Bottom4" at 3569.57,2076.94 h60
  text "Via" at 4759.22,2076.94 h60
  text "Rounded" at 5349.07,2076.94 h60
  text "v160h160" at 6094.87,2076.94 h60
  text "-" at 10805.5,2076.94 h60
  text "-" at 11895.18,2076.94 h60
  text "4" at 610.38,1926.94 h60
  text "118.11mil (3.000mm)" at 1210.22,1926.94 h60
  text "PTH" at 2329.89,1926.94 h60
  text "Round" at 2835.77,1926.94 h60
  text "Top1 - Bottom4" at 3569.57,1926.94 h60
  text "Pad" at 4759.22,1926.94 h60
  text "Rounded" at 5349.07,1926.94 h60
  text "c500h300" at 6094.87,1926.94 h60
  text "-" at 10805.5,1926.94 h60
  text "-" at 11895.18,1926.94 h60
  text "75" at 610.38,1776.94 h60
  text "19.69mil (0.500mm)" at 1210.22,1776.94 h60
  text "PTH" at 2329.89,1776.94 h60
  text "Round" at 2835.77,1776.94 h60
  text "Top1 - Bottom4" at 3569.57,1776.94 h60
  text "Via" at 4759.22,1776.94 h60
  text "Rounded" at 5349.07,1776.94 h60
  text "v100h50m0mx0" at 6094.87,1776.94 h60
  text "-" at 10805.5,1776.94 h60
  text "-" at 11895.18,1776.94 h60
  text "221" at 610.38,1626.94 h60
  text "10.00mil (0.254mm)" at 1210.22,1626.94 h60
  text "PTH" at 2329.89,1626.94 h60
  text "Round" at 2835.77,1626.94 h60
  text "Top1 - Bottom4" at 3569.57,1626.94 h60
  text "Via" at 4759.22,1626.94 h60
  text "Rounded" at 5349.07,1626.94 h60
  text "v46h25m0mx0" at 6094.87,1626.94 h60
  text "-" at 10805.5,1626.94 h60
  text "-" at 11895.18,1626.94 h60
  text "308 Total" at 610.38,1476.94 h60
  text "Slot definitions :" at 104.5,1331.97 h60
  text "Routed Path Length" at 1137.19,1331.97 h60
  text "= Calculated from tool start centre position to tool end centre position." at 2239.86,1331.97 h60
  text "Hole Length" at 1137.19,1231.99 h60
  text "= Routed Path Length + Tool Size = Slot length as defined in the PCB layout" at 1829.99,1231.99 h60